# KiCad board panel.kicad_pcb (continued)
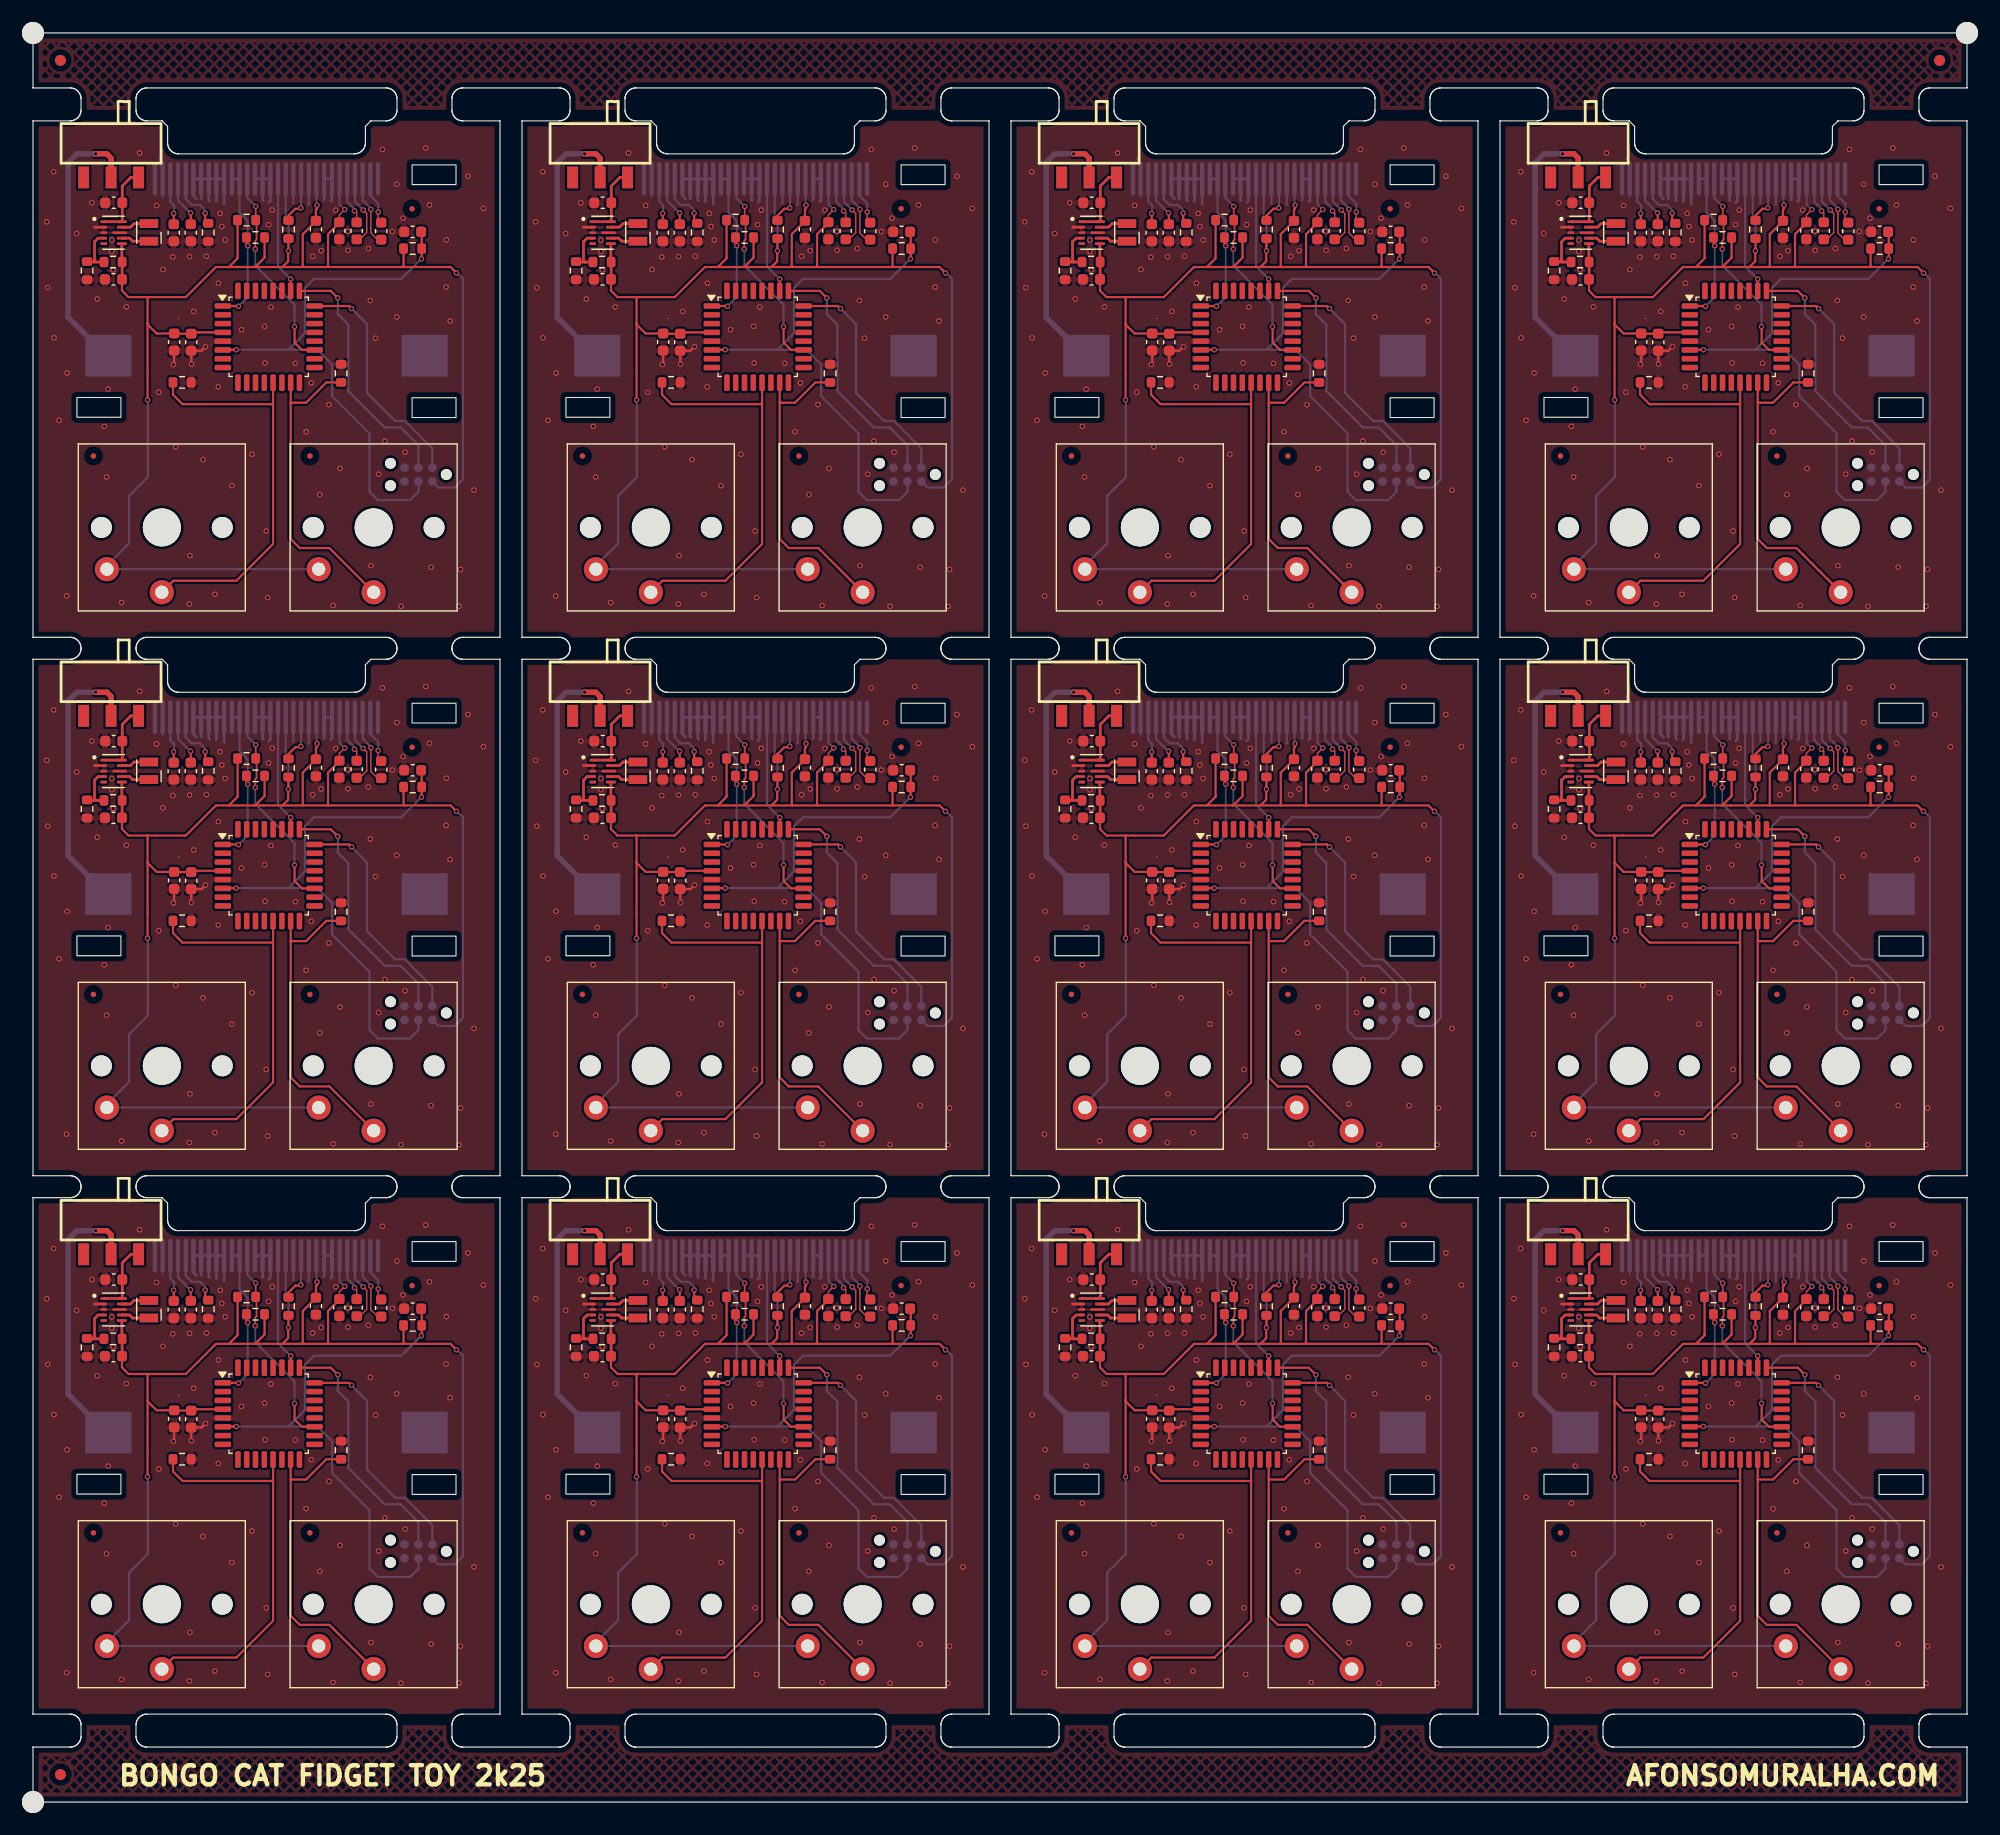
[diagram p0: board, top side]
## Copper pours and planes (outline as drawn; the poured copper is in the pictures) (continued)
Board_3-GND on Top, Bottom: 133.5,106 176,106 176,153.01 161.76,153.01 161.26,152.51 148.23,152.51 147.74,153 133.5,153
Board_4-GND on Top, Bottom: 0,57 42.5,57 42.5,104.01 28.26,104.01 27.76,103.51 14.73,103.51 14.24,104 0,104
Board_5-GND on Top, Bottom: 44.5,57 87,57 87,104.01 72.76,104.01 72.26,103.51 59.23,103.51 58.74,104 44.5,104
Board_6-GND on Top, Bottom: 89,57 131.5,57 131.5,104.01 117.26,104.01 116.76,103.51 103.73,103.51 103.24,104 89,104
Board_7-GND on Top, Bottom: 133.5,57 176,57 176,104.01 161.76,104.01 161.26,103.51 148.23,103.51 147.74,104 133.5,104
Board_8-GND on Top, Bottom: 0,8 42.5,8 42.5,55.01 28.26,55.01 27.76,54.51 14.73,54.51 14.24,55 0,55
Board_9-GND on Top, Bottom: 44.5,8 87,8 87,55.01 72.76,55.01 72.26,54.51 59.23,54.51 58.74,55 44.5,55
Board_10-GND on Top, Bottom: 89,8 131.5,8 131.5,55.01 117.26,55.01 116.76,54.51 103.73,54.51 103.24,55 89,55
Board_11-GND on Top, Bottom: 133.5,8 176,8 176,55.01 161.76,55.01 161.26,54.51 148.23,54.51 147.74,55 133.5,55

## Text on the board
B.Silkscreen: Afonso Muralha 2k26 | JLCJLCJLCJLC
F.Silkscreen: BONGO CAT FIDGET TOY 2k25 | AFONSOMURALHA.COM
User.1: V-CUT
